# KiCad board RUSP_Mainboard.kicad_pcb
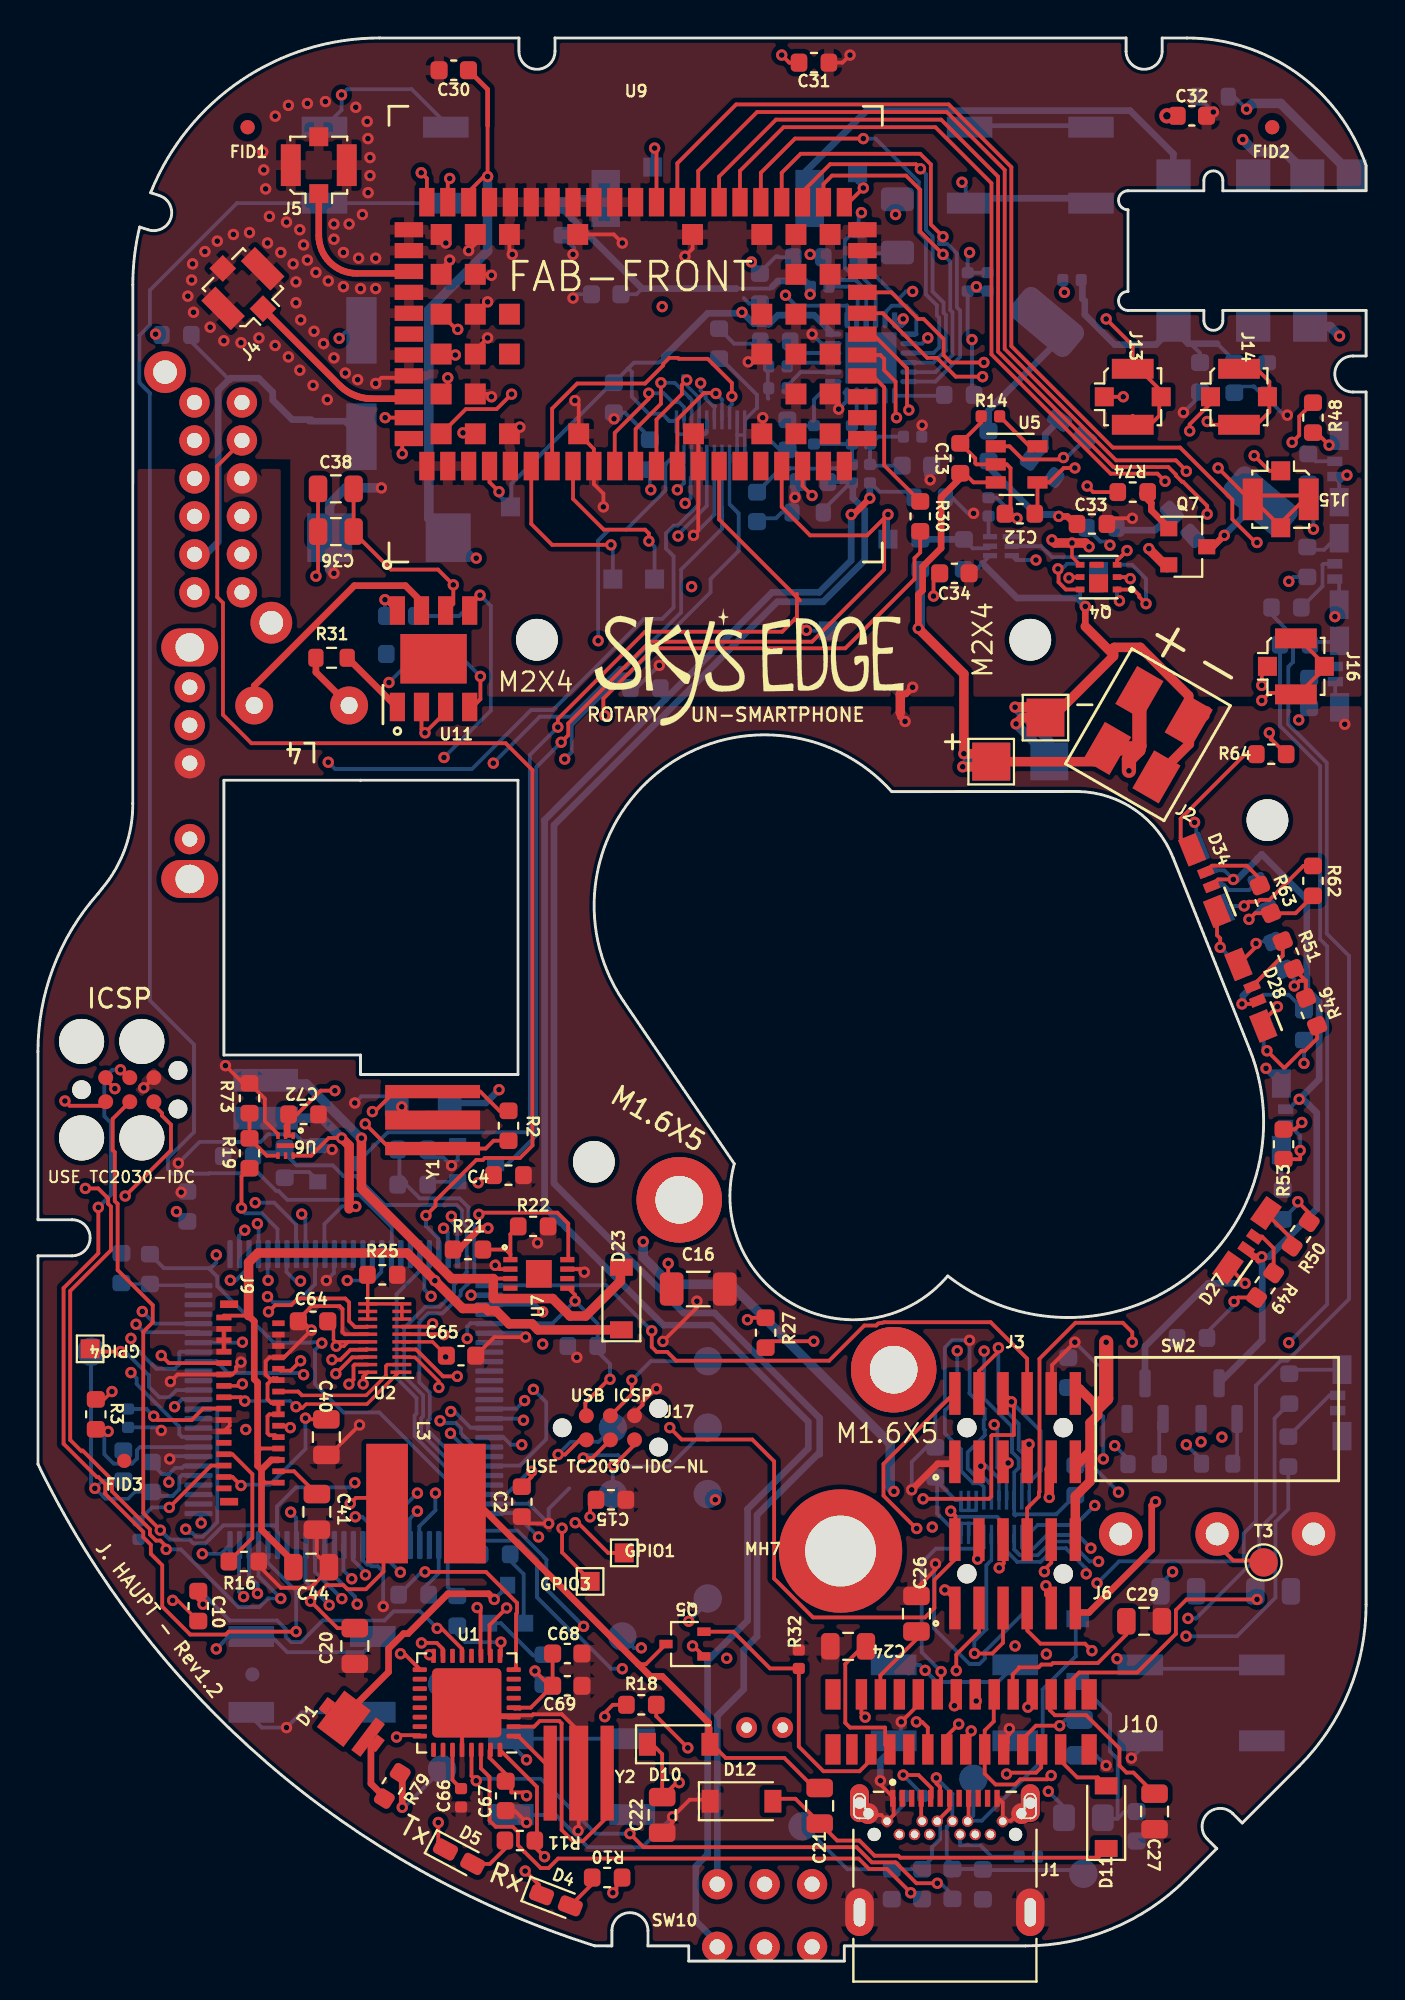
[diagram p0: board, top side]
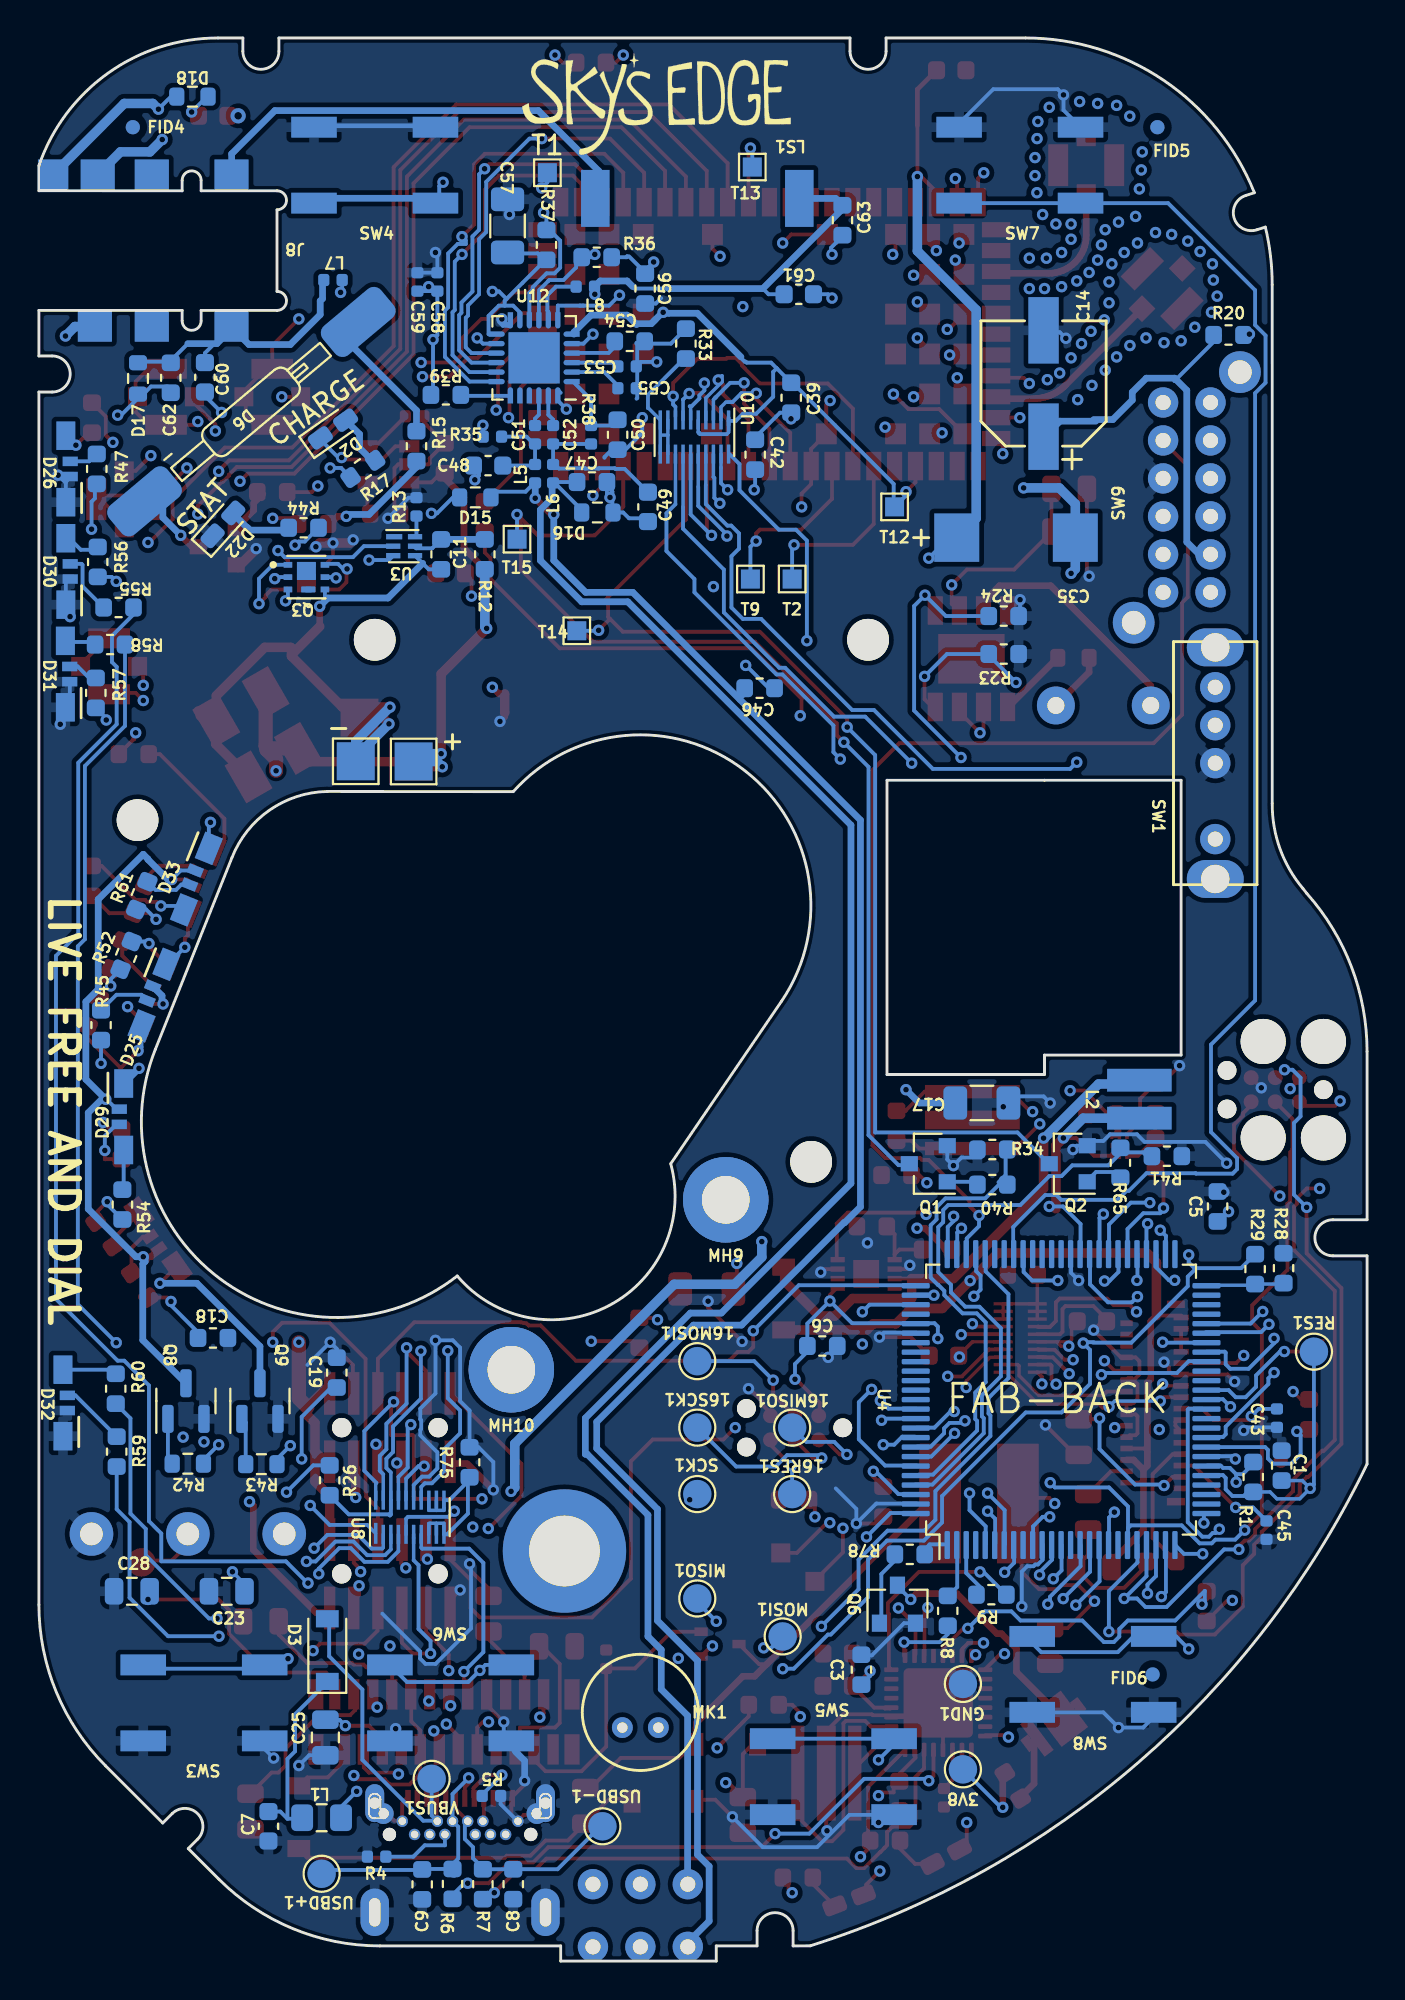
[diagram p1: board, bottom side, seen from below]

Outline 70 x 101.3 mm; copper layers: L1_GND+GNDA.Cu, L2_3v3+GNDA.Cu, L3_3v8+GNDA.Cu, L4_GND.Cu, L5_3v8.Cu, L6_GND.Cu. Coordinates in mm from the lower left corner of the outline.
Outline path: 5.36,91.34 arc(5.09,89.83) 5,88.3 5,60.98 arc(4.59,58.59) 3.38,56.5 3.17,56.23 arc(0.82,52.36) 0,47.91 0,39.05 1.8,39.05 arc(2.75,38.1) 1.8,37.15 0,37.15 0,26.18 arc(12.05,10.46) 29.35,0.8 30.25,0.8 30.25,1.6 arc(31.2,2.55) 32.15,1.6 32.15,0.8 34.3,0.8 34.3,0 42.5,0 42.5,0.8 52.03,0.8 arc(56.62,1.71) 60.52,4.31 62.13,5.93 61.63,6.43 arc(61.63,7.77) 62.97,7.77 63.47,7.27 66.48,10.29 arc(69.09,14.18) 70,18.77 70,82.65 69.3,82.65 arc(68.35,83.6) 69.3,84.55 70,84.55 70,86.95 62.45,86.95 62.45,86.4 arc(61.95,85.9) 61.45,86.4 61.45,86.95 57.45,86.95 arc(56.95,87.45) 57.45,87.95 57.45,92.25 arc(56.95,92.75) 57.45,93.25 61.45,93.25 61.45,93.8 arc(61.95,94.3) 62.45,93.8 62.45,93.25 70,93.25 70,94.57 arc(66.36,99.45) 60.56,101.3 59.25,101.3 59.25,100.6 arc(58.3,99.65) 57.35,100.6 57.35,101.3 27.25,101.3 27.25,100.6 arc(26.3,99.65) 25.35,100.6 25.35,101.3 18,101.3 arc(10.72,99.07) 5.94,93.15 6.39,93 arc(7,91.81) 5.81,91.19 5.36,91.34 ; 9.8,47.72 9.8,62.2 25.3,62.2 25.3,46.7 17,46.7 17,47.72 9.8,47.72 ; 30.85,50.57 arc(32.78,62.69) 45,61.6 54.8,61.61 arc(57.84,60.63) 59.83,58.12 63.86,48.02 arc(60.48,35.96) 47.95,36.09 arc(39.95,34.53) 36.7,42 30.85,50.57
Stack: L1_GND+GNDA.Cu 0.035mm / dielectric 0.274mm FR4 er 4.5 / L2_3v3+GNDA.Cu 0.035mm / dielectric 0.274mm FR4 er 4.5 / L3_3v8+GNDA.Cu 0.035mm / dielectric 0.274mm FR4 er 4.5 / L4_GND.Cu 0.035mm / dielectric 0.274mm FR4 er 4.5 / L5_3v8.Cu 0.035mm / dielectric 0.274mm FR4 er 4.5 / L6_GND.Cu 0.035mm

## Placement (name value [footprint] x y rotation side)
3V8  TestPoint_Alt  [TestPoint_Pad_D1.5mm]  21.3 10.1 180 bottom
16MISO1  TestPoint_Alt  [TestPoint_Pad_D1.5mm]  30.3 28.1 180 bottom
16MOSI1  TestPoint_Alt  [TestPoint_Pad_D1.5mm]  35.3 31.6 180 bottom
16RES1  TestPoint_Alt  [TestPoint_Pad_D1.5mm]  30.3 24.6 180 bottom
16SCK1  TestPoint_Alt  [TestPoint_Pad_D1.5mm]  35.3 28.1 180 bottom
C1  27pF  [C_0603_1608Metric]  4.5 26.1 90 bottom
C2  .1uF  [C_0603_1608Metric]  25.5 24.2 270 top
C3  .1uF  [C_0603_1608Metric]  26.65 15.35 90 bottom
C4  .1uF  [C_0603_1608Metric]  24.8 41.4 0 top
C5  .1uF  [C_0603_1608Metric]  7.88 39.75 90 bottom
C6  .1uF  [C_0603_1608Metric]  28.71 32.4 180 bottom
C7  10nF  [C_0603_1608Metric]  57.9 7.1 270 bottom
C8  47pF  [C_0603_1608Metric]  45 4.05 270 bottom
C9  47pF  [C_0603_1608Metric]  49.8 4.04 270 bottom
C10  .1uF  [C_0603_1608Metric]  8.45 18.7 270 top
C11  .1uF  [C_0603_1608Metric]  48.8 74.1 270 bottom
C12  4.7uF  [C_0603_1608Metric]  51.75 76.24 180 top
C13  4.7uF  [C_0603_1608Metric]  48.61 79.16 270 top
C14  100uF/10V  [Capacitor_Wurth865080243007]  17.05 83.1 270 bottom
C15  2.2uF LOW-ESR CER.  [C_0603_1608Metric]  30.2 24.3 180 top
C16  10uF/35V  [R_1206_3216Metric]  34.8 35.4 0 top
C17  10uF/35V  [R_1206_3216Metric]  20.3 45.2 180 bottom
C18  .1uF  [C_0603_1608Metric]  60.83 32.82 180 bottom
C19  .1uF  [C_0603_1608Metric]  54.3 31 90 bottom
C20  4.7uF/25V  [C_0805_2012Metric]  16.7 16.6 90 top
C21  4.7uF/25V  [C_0805_2012Metric]  41.2 8.18 90 top
C22  4.7uF/25V  [C_0805_2012Metric]  32.9 7.7 90 top
C23  1uF/50V  [C_0805_2012Metric]  60.1 19.48 0 bottom
C24  1uF/50V  [C_0805_2012Metric]  42.7 16.58 180 top
C25  1uF/50V  [C_0805_2012Metric]  54.9 11.78 270 bottom
C26  1uF/50V  [C_0805_2012Metric]  46.3 18.3 90 top
C27  1uF/50V  [C_0805_2012Metric]  58.85 7.88 270 top
C28  1uF/50V  [C_0805_2012Metric]  65.1 19.48 0 bottom
C29  1uF/50V  [C_0805_2012Metric]  58.3 17.9 0 top
C30  68pF/50V  [C_0603_1608Metric]  21.92 99.6 180 top
C31  15pF/50V  [C_0603_1608Metric]  40.9 100 0 top
C32  8.2pF/50V  [C_0603_1608Metric]  60.81 97.2 0 top
C33  10nF/16V  [C_0603_1608Metric]  55.55 75.7 0 top
C34  .1uF  [C_0603_1608Metric]  48.3 73.1 0 top
C35  330uF/6.3V TANTALUM 45mR  [C_2917]  18.5 74.98 180 bottom
C36  1uF/16V  [C_0805_2012Metric]  15.7 75.3 180 top
C38  1uF/16V  [C_0805_2012Metric]  15.7 77.55 0 top
C39  .1uF  [C_0603_1608Metric]  30.35 82.35 270 bottom
C40  1uF/16V  [C_0805_2012Metric]  15.2 27.6 270 top
C41  4.7uF/25V  [C_0805_2012Metric]  14.7 23.66 270 top
C42  .1uF  [C_0603_1608Metric]  32.25 79.35 90 bottom
C43  1uF  [C_0402_1005Metric]  4.75 28.6 90 bottom
C44  4.7uF/25V  [C_0805_2012Metric]  14.4 20.75 0 top
C45  1uF  [C_0402_1005Metric]  5.3 22.7 90 bottom
C46  27pF  [C_0603_1608Metric]  32.02 67.05 180 bottom
C47  27pF  [C_0603_1608Metric]  40.85 77.91 180 bottom
C48  10nF  [C_0603_1608Metric]  46.33 78.77 0 bottom
C49  10nF  [C_0603_1608Metric]  37.9 76.6 270 bottom
C50  2.2uF LOW-ESR CER.  [C_0603_1608Metric]  39.5 80.4 270 bottom
C51  1uF  [C_0402_1005Metric]  43.85 80.4 270 bottom
C52  1uF  [C_0402_1005Metric]  42.9 80.4 270 bottom
C53  1uF  [C_0402_1005Metric]  39 84 180 bottom
C54  2.2uF LOW-ESR CER.  [C_0603_1608Metric]  38.86 85.32 180 bottom
C55  1uF  [C_0402_1005Metric]  39 82.85 180 bottom
C56  .1uF  [C_0603_1608Metric]  38.05 88.1 270 bottom
C57  10uF/35V  [R_1206_3216Metric]  45.3 91.4 90 bottom
C58  1uF  [C_0402_1005Metric]  49 88.45 90 bottom
C59  1uF  [C_0402_1005Metric]  50.05 88.45 90 bottom
C60  10nF  [C_0603_1608Metric]  61.25 83.42 270 bottom
C61  10nF  [C_0603_1608Metric]  29.95 87.8 180 bottom
C62  27pF  [C_0603_1608Metric]  63.05 83.4 270 bottom
C63  27pF  [C_0603_1608Metric]  27.65 91.7 270 bottom
C64  .1uF  [C_0603_1608Metric]  14.5 33.7 180 top
C65  .1uF  [C_0603_1608Metric]  22.3 31.89 0 top
C66  1uF  [C_0402_1005Metric]  22.3 8.6 270 top
C67  .1uF  [C_0603_1608Metric]  24.65 8.7 270 top
C68  10nF  [C_0603_1608Metric]  27.9 16.2 0 top
C69  10nF  [C_0603_1608Metric]  27.9 14.5 0 top
C72  2.2uF LOW-ESR CER.  [C_0603_1608Metric]  14 44.6 180 top
D1  White Bell LED  [Osram_1212]  16.52 12.46 53 top
D2  Amber LED  [LED_0603_1608Metric_Castellated]  54.5 80.7 145 bottom
D3  VBus Protection Schottky  [D_SOD-123]  54.8 16.38 90 bottom
D4  Green LED  [LED_0603_1608Metric_Castellated]  27.3 3.2 339 top
D5  Amber LED  [LED_0603_1608Metric_Castellated]  22.2 5.5 332 top
D6  20mm Filament  [FilamentLED_20mm]  59.3 81.2 140 bottom
D10  MBR0530 Diode for ePaper  [D_SOD-123]  33.77 11.42 0 top
D11  MBR0530 Diode for ePaper  [D_SOD-123]  56.3 7.58 90 top
D12  MBR0530 Diode for ePaper  [D_SOD-123]  37.08 8.42 0 top
D15  TVS/Varistor for Audio Filtering  [R_0603_1608Metric#2]  47 77.1 0 bottom
D16  TVS/Varistor for Audio Filtering  [R_0603_1608Metric#2]  40.57 76.3 180 bottom
D17  TVS/Varistor for Audio Filtering  [R_0603_1608Metric#2]  64.77 83.37 270 bottom
D18  TVS/Varistor for Audio Filtering  [R_0603_1608Metric#2]  61.91 98.21 180 bottom
D22  Status LED  [LED_0603_1608Metric_Castellated]  60.3 75.68 132 bottom
D23  20V 500mA Schottky for 12V Stage  [D_SOD-123]  30.75 34.9 90 top
D25  Red/Yellow Bar Meter LED  [LED_Dialight_5988560207F]  64.15 50.97 292 bottom
D26  Red/Yellow Bar Meter LED  [LED_Dialight_5988560207F]  68.35 78.6 90 bottom
D27  Red/Yellow Bar Meter LED  [LED_Dialight_5988560207F]  63.91 37.83 55 top
D28  Red/Yellow Bar Meter LED  [LED_Dialight_5988560207F]  64.14 50.96 112 top
D29  Red/Yellow Bar Meter LED  [LED_Dialight_5988560207F]  65.76 44.47 270 bottom
D30  Red/Yellow Bar Meter LED  [LED_Dialight_5988560207F]  68.35 73.2 90 bottom
D31  Red/Yellow Bar Meter LED  [LED_Dialight_5988560207F]  68.37 67.79 90 bottom
D32  Red/Yellow Bar Meter LED  [LED_Dialight_5988560207F]  68.5 29.4 90 bottom
D33  Red/Yellow Bar Meter LED  [LED_Dialight_5988560207F]  61.91 57.08 292 bottom
D34  Red/Yellow Bar Meter LED  [LED_Dialight_5988560207F]  61.7 57 112 top
FID1  Fiducial  [Fiducial_0.75mm_Dia_1.5mm_Outer]  11.05 96.6 0 top
FID2  Fiducial  [Fiducial_0.75mm_Dia_1.5mm_Outer]  65.05 96.6 0 top
FID3  Fiducial  [Fiducial_0.75mm_Dia_1.5mm_Outer]  4.55 26.35 0 top
FID4  Fiducial  [Fiducial_0.75mm_Dia_1.5mm_Outer]  65.05 96.6 0 bottom
FID5  Fiducial  [Fiducial_0.75mm_Dia_1.5mm_Outer]  11.05 96.6 0 bottom
FID6  Fiducial  [Fiducial_0.75mm_Dia_1.5mm_Outer]  11.3 15.1 0 bottom
GND1  TestPoint_Alt  [TestPoint_Pad_D1.5mm]  21.3 14.6 180 bottom
GPIO1  TestPoint_Alt  [TestPoint_Pad_1.0x1.0mm]  30.9 21.5 0 top
GPIO3  TestPoint_Alt  [TestPoint_Pad_1.0x1.0mm]  29.1 20 0 top
GPIO4  TestPoint_Alt  [TestPoint_Pad_1.0x1.0mm]  2.75 32.25 180 top
J1  USB C Receptacle  [USBC_CUI_UJ31-CH-G1-SMT-TR]  47.8 4.07 0 top
J2  Poke-In Battery Connector  [AVX_PokeInConnector]  58.5 64.6 330 top
J3  12p Male Samtec Connector  [Samtec_2x6Header_FTSH-106-01-L-DV]  51.5 28.1 0 top
J4  U.FL  [U.FL_Molex_MCRF_73412-0110_Vertical]  10.8 88.1 45 top
J5  U.FL  [U.FL_Molex_MCRF_73412-0110_Vertical]  14.8 94.6 0 top
J6  12p Male Samtec Connector  [Samtec_2x6Header_FTSH-106-01-L-DV]  51.5 20.4 0 top
J7  Conn_02x03_Counter_Clockwise  [Tag-Connect_TC2030-IDC]  2.3 45.9 0 top
J8  TRRS Jack  [AudioJack_TRRS_CUI_SJ-43617-SMT-TR]  70.05 90.1 180 bottom
J9  FPC Connector for OLED  [Hirose_FPC_FH26W-31S-0.3SHW(60)]  11.1 29.1 270 top
J10  FPC Connector for ePaper  [Molex_24pFPC_Vert_0525592452]  48.4 12.6 0 top
J13  U.FL  [U.FL_Molex_MCRF_73412-0110_Vertical]  57.7 82.4 270 top
J14  U.FL  [U.FL_Molex_MCRF_73412-0110_Vertical]  63.3 82.4 270 top
J15  U.FL  [U.FL_Molex_MCRF_73412-0110_Vertical]  65.5 77 180 top
J16  U.FL  [U.FL_Molex_MCRF_73412-0110_Vertical]  66.3 68.2 270 top
J17  Conn_02x03_Counter_Clockwise  [Tag-Connect_TC2030-IDC_MINIMAL]  30.03 28.09 0 top
L1  Ferrite Bead for VBus  [R_0805_2012Metric_Pad1.15x1.40mm_HandSolder]  55.1 7.55 180 bottom
L2  4.7uH  [Inductor_Wurth_74438336100]  12 45.4 90 bottom
L3  10uH  [Inductor10uH_Wurth_744053100]  20.45 24.1 270 top
L4  Solenoid Inductor  [BournsInductor_RLB9012-472KL]  13.9 66.1 180 top
L5  EMI Ferrite  [L_0402_1005Metric]  43.85 78.35 270 bottom
L6  EMI Ferrite  [L_0402_1005Metric]  42.9 78.35 270 bottom
L7  EMI Ferrite  [L_0402_1005Metric]  54.5 88.55 180 bottom
L8  EMI Ferrite  [L_0402_1005Metric]  41.2 88.2 0 bottom
LOGO1  Logo1  [SkysEdge_21mm]  37.6 69.05 0 top
LOGO2  Logo2  [SkysEdge_18mm]  37.35 98.6 180 bottom
LS1  Speaker (DNP)  [Speaker_PUI_AR01232MS-SC12-WP-R]  35.3 95.1 180 bottom
MH1  MountingHole  [MountingHole_2.2mm_M2]  26.3 69.6 0 top
MH3  MountingHole  [MountingHole_2.2mm_M2]  29.3 42.1 0 top
MH4  MountingHole  [MountingHole_2.2mm_M2]  52.3 69.6 0 top
MH7  M2 SMT Nut  [SMTSO-M2-3ET]  42.3 21.6 0 top
MH8  MountingHole  [MountingHole_2.2mm_M2]  64.8 60.1 0 top
MH9  M1.6 SMT Nut  [SMTSO-M1.6-1ET]  33.8 40.15 0 bottom
MH10  M1.6 SMT Nut  [SMTSO-M1.6-1ET]  45.1 31.2 0 bottom
MISO1  TestPoint_Alt  [TestPoint_Pad_D1.5mm]  35.3 19.1 180 bottom
MK1  2k2 Electret Mic  [Microphone_PUI_POM-2738P-R]  38.3 13.1 0 bottom
MOSI1  TestPoint_Alt  [TestPoint_Pad_D1.5mm]  30.8 17.1 180 bottom
NT2  Net-Tie_2  [NetTie-2_SMD_Pad0.5mm]  45.45 66.25 90 top
Q1  DMG2302UK-7  [SOT-23]  23.12 42 0 bottom
Q2  DMG2302UK-7  [SOT-23]  15.75 42 0 bottom
Q3  CSD16301Q2  [TI_CSD16301Q2]  55.9 72.9 180 bottom
Q4  CSD16301Q2  [TI_CSD16301Q2]  55.9 72.9 180 top
Q5  N-MOSFET 30V 1.4A  [SOT-323_SC-70]  34.1 16.7 180 top
Q6  MMBT3904  [SOT-23]  24.75 18.8 90 bottom
Q7  MMBT3904  [SOT-23]  60.6 74.5 0 top
Q8  MMBT3904  [SOT-23#2]  62.25 29.5 90 bottom
Q9  MMBT3904  [SOT-23#2]  58.35 29.5 90 bottom
R1  10k  [R_0603_1608Metric]  6 25.5 90 bottom
R2  1M  [R_0603_1608Metric]  24.8 44 270 top
R3  27R  [R_0603_1608Metric]  3.05 28.8 270 top
R4  5k1  [R_0402_1005Metric]  52.2 5.5 0 bottom
R5  5k1  [R_0402_1005Metric]  46.15 8.7 180 bottom
R6  27R  [R_0603_1608Metric]  48.2 4.06 90 bottom
R7  27R  [R_0603_1608Metric]  46.6 4.05 90 bottom
R8  1k  [R_0603_1608Metric]  22.1 18.45 90 bottom
R9  1k  [R_0603_1608Metric]  19.8 19.3 180 bottom
R10  1k  [R_0603_1608Metric]  30 4.4 180 top
R11  1k  [R_0603_1608Metric]  25.4 6.35 180 top
R12  330R  [R_0603_1608Metric]  46.5 74.1 90 bottom
R13  2k2  [R_0402_1005Metric]  50.1 76.6 270 bottom
R14  2k2  [R_0402_1005Metric]  50.2 81.37 0 top
R15  10R  [R_0603_1608Metric]  50.1 79.8 270 bottom
R16  510k  [R_0603_1608Metric]  10.85 21.05 0 top
R17  1k5  [R_0603_1608Metric]  52.92 78.6 325 bottom
R18  10k  [R_0603_1608Metric]  31.8 13.5 0 top
R19  100R  [R_0603_1608Metric]  11.15 42.55 270 top
R20  100R  [R_0603_1608Metric]  7.3 85.66 0 bottom
R21  1.05M  [R_0603_1608Metric]  22.67 37.48 0 top
R22  120k  [R_0603_1608Metric]  26.1 38.7 0 top
R23  1M  [R_0603_1608Metric]  19.15 68.85 180 bottom
R24  1M  [R_0603_1608Metric]  19.15 70.85 180 bottom
R25  10k  [R_0603_1608Metric]  18.15 36.15 0 top
R26  100k  [R_0603_1608Metric]  54.67 25.32 270 bottom
R27  100k  [R_0603_1608Metric]  38.35 33.1 90 top
R28  10k  [R_0603_1608Metric]  4.4 36.5 90 bottom
R29  1k  [R_0603_1608Metric]  5.9 36.45 90 bottom
R30  10k  [R_0603_1608Metric]  46.5 76.1 270 top
R31  0R  [R_0603_1608Metric#2]  15.47 68.65 180 top
R32  0.47R  [R_0402_1005Metric]  40.1 15.9 90 top
R33  10k  [R_0603_1608Metric]  35.9 85.2 90 bottom
R34  1M  [R_0603_1608Metric]  19.75 42.75 0 bottom
R35  2k2  [R_0402_1005Metric]  46.1 80.3 0 bottom
R36  4k7  [R_0603_1608Metric]  40.6 89.75 0 bottom
R37  4k7  [R_0603_1608Metric]  43.25 90.4 90 bottom
R38  2k2  [R_0402_1005Metric]  40.9 80.4 90 bottom
R39  10k  [R_0603_1608Metric]  48.55 82.5 180 bottom
R40  100R  [R_0603_1608Metric]  19.75 40.9 180 bottom
R41  1M  [R_0603_1608Metric]  10.55 42.4 180 bottom
R42  1k  [R_0603_1608Metric#2]  62.15 26.2 180 bottom
R43  1k  [R_0603_1608Metric#2]  58.27 26.17 180 bottom
R44  160R (100R for LTST-C191TBKT)  [R_0603_1608Metric]  56.05 75.5 180 bottom
R45  1k5  [R_0603_1608Metric]  66.73 49.3 270 bottom
R46  1k5  [R_0603_1608Metric]  67.12 50 112 top
R47  1k5  [R_0603_1608Metric]  66.95 78.6 270 bottom
R48  1k5  [R_0603_1608Metric]  67.2 81.3 90 top
R49  1k5  [R_0603_1608Metric]  64.67 35.6 235 top
R50  1k5  [R_0603_1608Metric]  66.55 38.3 55 top
R51  1k5  [R_0603_1608Metric]  65.9 53 292 top
R52  1k5  [R_0603_1608Metric]  65.4 52.97 292 bottom
R53  1k5  [R_0603_1608Metric]  65.65 43.02 90 top
R54  1k5  [R_0603_1608Metric]  65.6 39.85 270 bottom
R55  1k5  [R_0603_1608Metric]  65.8 71.3 180 bottom
R56  1k5  [R_0603_1608Metric]  66.9 73.7 270 bottom
R57  1k5  [R_0603_1608Metric]  67 66.8 270 bottom
R58  1k5  [R_0603_1608Metric]  66.25 69.35 180 bottom
R59  1k5  [R_0603_1608Metric]  65.9 26.84 270 bottom
R60  1k5  [R_0603_1608Metric]  65.95 30.15 270 bottom
R61  1k5  [R_0603_1608Metric]  64.58 56.12 292 bottom
R62  1k5  [R_0603_1608Metric]  67.2 56.9 270 top
R63  1k5  [R_0603_1608Metric]  64.7 55.92 292 top
R64  1k5  [R_0603_1608Metric]  65 63.57 0 top
R65  100R  [R_0603_1608Metric]  13 42.05 90 bottom
R73  1M  [R_0603_1608Metric]  11.15 45.45 270 top
R74  1k  [R_0603_1608Metric]  57.7 77.38 180 top
R75  10k  [R_0603_1608Metric]  47.3 26.28 90 bottom
R78  1k  [R_0603_1608Metric]  24.1 21.42 180 bottom
R79  18R  [R_0603_1608Metric]  18.67 9.23 58 top
RES1  TestPoint_Alt  [TestPoint_Pad_D1.5mm]  2.8 32.1 180 bottom
SCK1  TestPoint_Alt  [TestPoint_Pad_D1.5mm]  35.3 24.6 180 bottom
SW1  Mode Switch SP3T  [SP3T_OS103011MA7QP1]  8 63.1 90 bottom
SW2  Roller Switch for Rotary Dial  [LimitSwitch_D2F-01FL2-A1]  62.15 26.8 0 top
SW3  Tactile Switch  [TactileSwitch_Panasonic_EVQ-Q2Y03W]  61.3 13.6 180 bottom
SW4  Tactile Switch  [TactileSwitch_Panasonic_EVQ-Q2Y03W]  52.3 94.6 0 bottom
SW5  Tactile Switch  [TactileSwitch_Panasonic_EVQ-Q2Y03W]  28.13 9.71 180 bottom
SW6  Tactile Switch  [TactileSwitch_Panasonic_EVQ-Q2Y03W]  48.3 13.6 180 bottom
SW7  Tactile Switch  [TactileSwitch_Panasonic_EVQ-Q2Y03W]  18.3 94.6 0 bottom
SW8  Tactile Switch  [TactileSwitch_Panasonic_EVQ-Q2Y03W]  14.45 15.1 180 bottom
SW9  Power Switch 4P2T  [Switch_4PDT_ESwitch-EG4208]  9.5 77.1 270 bottom
SW10  Mic Switch DPDT  [Switch_DPDT_Nidec_CL-SB-22C-XX]  38.3 2.4 0 top
T1  TestPoint_Alt  [TestPoint_Pad_1.0x1.0mm]  43.2 94.2 180 bottom
T2  TestPoint_Alt  [TestPoint_Pad_1.0x1.0mm]  30.3 72.8 0 bottom
T3  TestPoint_Alt  [TestPoint_Pad_D1.5mm]  64.6 21 0 top
T9  TestPoint_Alt  [TestPoint_Pad_1.0x1.0mm]  32.5 72.8 0 bottom
T12  TestPoint_Alt  [TestPoint_Pad_1.0x1.0mm]  24.9 76.6 0 bottom
T13  TestPoint_Alt  [TestPoint_Pad_1.0x1.0mm]  32.4 94.5 0 bottom
T14  TestPoint_Alt  [TestPoint_Pad_1.0x1.0mm]  41.65 70.07 0 bottom
T15  TestPoint_Alt  [TestPoint_Pad_1.0x1.0mm]  44.8 74.9 0 bottom
TP1  TestPoint  [TestPoint_Pad_2.0x2.0mm]  53.1 65.5 0 top
TP2  TestPoint  [TestPoint_Pad_2.0x2.0mm]  50.24 63.18 0 top
TP3  TestPoint  [TestPoint_Pad_2.0x2.0mm]  53.3 63.2 180 bottom
TP4  TestPoint  [TestPoint_Pad_2.0x2.0mm]  50.25 63.19 180 bottom
U1  ATmega16U2-MU as USB Bridge  [QFN-32-1EP_5x5mm_P0.5mm_EP3.65x3.65mm]  22.6 13.6 180 top
U2  Logic Shifter  [TXB0108_USON-20_2x4mm_P0.4mm]  18.28 32.82 180 top
U3  LiPo Undervolt Protection IC  [WSON-6_1.5x1.5mm_P0.5mm]  50.75 74.53 180 bottom
U4  ATmega2560V-8AU  [ATmega2560_TQFP-100_14x14mm_P0.5mm]  16.12 29.57 90 bottom
U5  Charge Mgmt. IC  [SOT-23-5]  51.58 78.84 0 top
U6  3.3V Linear Regulator  [LDO_MIC5528]  13.05 42.95 180 top
U7  12V Boost Converter  [BoostConverter_MCP1661]  26.4 36.2 270 top
U8  Logic Shifter  [TXB0108_USON-20_2x4mm_P0.4mm]  50.45 23.38 90 bottom
U9  LARA-R6  [CellModule_LARA]  31.5 85.7 0 top
U10  Logic Shifter  [TXB0108_USON-20_2x4mm_P0.4mm]  35.45 80.28 270 bottom
U11  Driver for Bell Coil  [SO-8EP]  20.85 68.6 0 top
U12  MAX9860 CODEC  [WQFN-24-1EP_4x4mm_P0.5mm_EP2.7x2.7mm]  43.9 84.45 0 bottom
USBD+1  TestPoint_Alt  [TestPoint_Pad_D1.5mm]  55.1 4.6 180 bottom
USBD-1  TestPoint_Alt  [TestPoint_Pad_D1.5mm]  40.3 7.1 180 bottom
VBUS1  TestPoint_Alt  [TestPoint_Pad_D1.5mm]  49.3 9.6 180 bottom
Y1  8MHz Resonator  [AWSCR-16.00CV-T]  20.8 44.3 90 top
Y2  16MHz Resonator  [AWSCR-16.00CV-T]  28.5 9.9 0 top
